# KiCad board glasgow_revD0.kicad_pcb (continued)
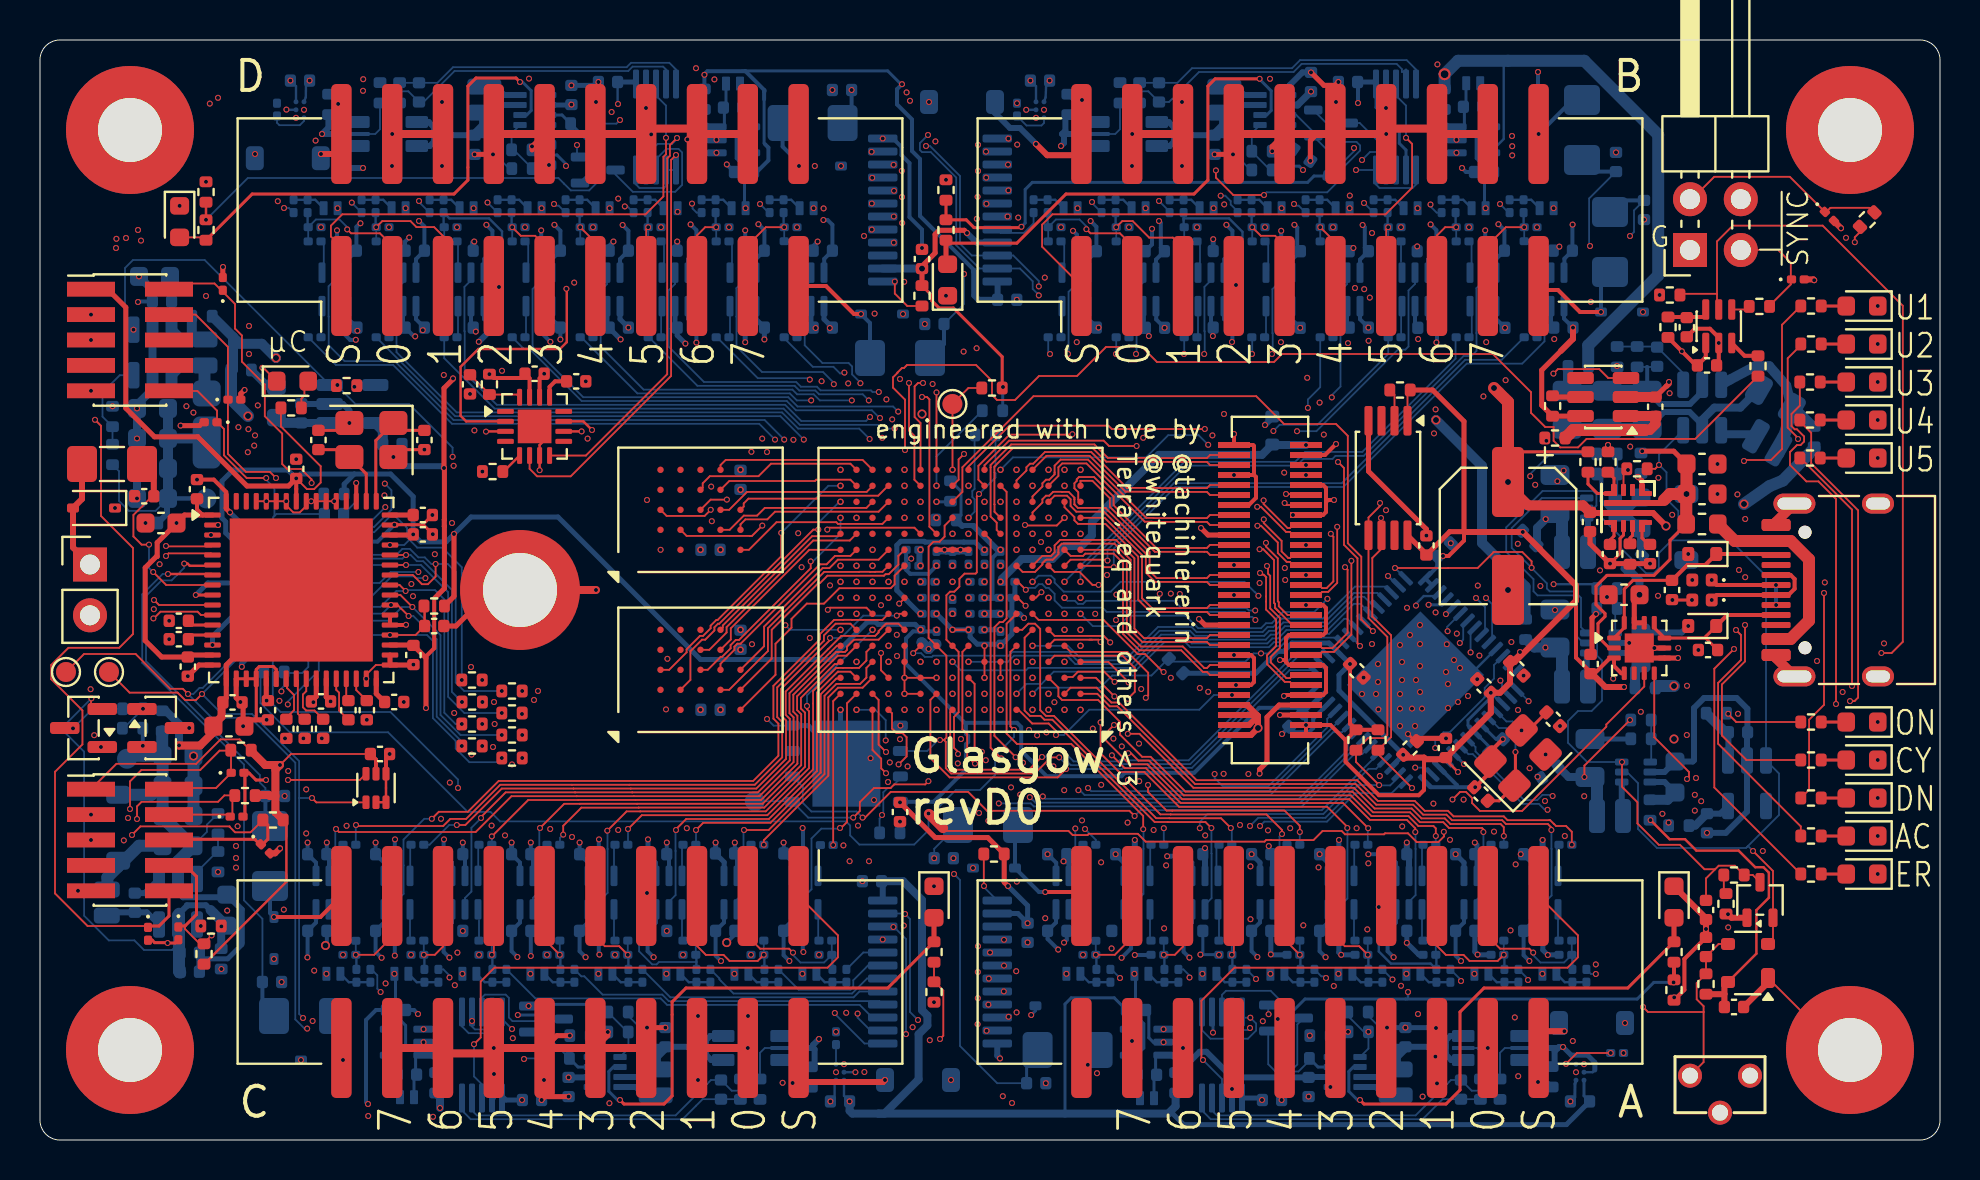
[diagram p0: board, top side]
## Routing (per net, layer and track width the routed paths; a pad name or vN(x,y) marks a point on that pad's centre or on a via; arc(x,y) is an arc through that point) (continued)
  In3.Cu w0.09: v1(54.39,22.06) v1(54.39,20.31)
  Bottom w0.09: v1(73.19,15.2) R95.2
/IO Banks/A.Q2: length 24.4
  Top w0.09: v1(69.79,15.2) 69.79,15.58 69.67,15.7 68.92,15.7 68.42,16.19 66.57,16.19 65.54,17.23 57.19,17.23 55.45,18.97 54.92,18.97 54.55,19.34 v1(54.41,19.34) ; v1(53.73,22.91) 53.72,22.91 53.22,23.42 51.9,23.42 51.63,23.15 51.26,23.15
  In3.Cu w0.09: v1(54.41,19.34) 54.41,19.86 54.03,20.24 54.03,22.64 53.76,22.91 v1(53.73,22.91)
  Bottom w0.09: v1(69.79,15.2) R96.2
/IO Banks/A.Q3: length 24.5
  Top w0.09: v1(53.51,24.88) 53.19,25.2 50.73,25.2 U8.F3 ; v1(66.41,15.59) 65.15,16.85 57.03,16.85 55.29,18.59 54.24,18.59 v1(53.59,19.23)
  In3.Cu w0.09: v1(53.51,24.88) 53.34,24.7 53.34,20.75 53.17,20.59 53.17,19.66 v1(53.59,19.23)
  Bottom w0.09: v1(66.41,15.59) 66.39,15.57 R97.2
/IO Banks/A.Q4: length 20
  Top w0.09: U8.E2 51.53,24.41 54.37,24.41 55.41,23.36 55.41,22.23 v1(55.29,22.11) ; v1(62.99,15.4) 62.99,15.71 62.23,16.47 56.62,16.47 56.62,16.47 56.33,16.47 55.4,17.4 v1(55.4,17.75)
  In3.Cu w0.09: v1(55.29,22.11) 55.29,18.44 55.4,18.33 v1(55.4,17.75)
  Bottom w0.09: R98.2 v1(62.99,15.4)
/IO Banks/A.Q5: length 18.3
  Top w0.09: v1(59.54,15.6) 59.05,16.09 56.46,16.09 56.46,16.09 55.81,16.09 50.69,21.2 50.3,21.2 50.01,21.49 50.01,25.56 49.75,25.81 49.42,25.81 49.11,25.51 48.82,25.51
  Bottom w0.09: R99.2 59.59,15.55 v1(59.54,15.6)
/IO Banks/A.Q6: length 16.4
  Top w0.09: v1(56.18,23.4) 56.15,23.4 55.25,24.3 54.89,24.3 53.18,26 49.93,26 U8.G4
  In3.Cu w0.09: v1(56.18,23.4) 56.19,23.39 v1(56.19,15.59)
  Bottom w0.09: R100.2 v1(56.19,15.59)
/IO Banks/A.Q7: length 10.9
  In3.Cu w0.09: v1(52.25,15.55) 52.7,16 52.7,17.47 52.71,17.47 52.71,19.78 51.98,20.5 51.98,21.03 52.33,21.38 52.33,24.41 v1(52.03,24.71)
  Bottom w0.09: v1(52.25,15.55) 52.79,15.01 R101.2
/IO Banks/B.DIR0: length 18.8
  In3.Cu w0.09: v1(51.4,39.3) 51.2,39.3 50.92,39.02 50.92,26.96 51.26,26.61 51.35,26.61 51.57,26.4 51.57,25.97 v1(52.03,25.51)
  Bottom w0.09: v1(51.4,39.3) 51.43,39.33 51.43,42.41 51.75,42.73 U38.5
/IO Banks/B.DIR1: length 21.7
  In2.Cu w0.09: v1(50.43,26.31) 50.79,26.31 51.1,26 v1(53.8,26)
  In3.Cu w0.09: v1(53.8,26) 54.46,26.66 54.46,38.96 v1(54.8,39.3)
  Bottom w0.09: 55.15,43.67 55.15,42.88 54.83,42.56 54.83,39.33 v1(54.8,39.3)
/IO Banks/B.DIR2: length 25.7
  Top w0.09: 48.88,27.11 v1(49.28,26.71)
  In2.Cu w0.09: v1(56.99,27.3) 56.31,26.61 49.38,26.61 v1(49.28,26.71)
  In3.Cu w0.09: v1(58.21,39.3) 57.8,38.89 57.8,30.78 57.75,30.73 57.75,30.47 57.8,30.42 57.8,28.11 v1(56.99,27.3)
  Bottom w0.09: 58.55,43.67 58.55,42.98 58.22,42.66 58.22,40.45 58.24,40.44 58.24,39.33 v1(58.21,39.3)
/IO Banks/B.DIR3: length 29.6
  In3.Cu w0.09: v1(60.92,27.21) 60.79,27.34 60.79,27.54 60.53,27.8 60.53,38.23 v1(61.6,39.3)
  Bottom w0.09: v1(49.62,27.91) 49.93,28.22 50.55,28.22 50.73,28.04 50.73,27.87 51.18,27.42 53.54,27.42 54.03,27.91 60.22,27.91 60.74,27.39 60.75,27.39 60.92,27.22 v1(60.92,27.21) ; v1(61.6,39.3) 61.63,39.33 61.63,40.33 61.62,40.35 61.62,42.54 61.95,42.87 61.95,43.67
/IO Banks/B.DIR4: length 31.2
  In3.Cu w0.09: v1(64.37,27.06) 63.73,27.7 63.73,35.95 64.59,36.81 v1(64.59,37.13)
  Bottom w0.09: 65.35,43.67 65.35,42.79 65.02,42.46 65.02,40.35 65.03,40.34 65.03,37.67 64.59,37.24 v1(64.59,37.13) ; v1(64.37,27.06) 63.71,26.4 62.15,26.4 61.59,25.84 61.3,25.84 61.05,25.59 57.91,25.59 57.28,26.22 54.45,26.22 53.93,25.69 52.64,25.69 v1(52.03,26.31)
/IO Banks/B.DIR5: length 31.9
  In2.Cu w0.09: v1(50.43,27.91) 50.73,27.61 52.23,27.61 52.51,27.33 53.45,27.33 53.82,27.7 60.1,27.7 60.27,27.53 61.16,27.53 62.23,28.6 v1(62.24,28.6)
  In3.Cu w0.09: v1(62.85,35.44) 62.33,35.44 61.86,34.97 61.86,28.98 v1(62.24,28.6)
  Bottom w0.09: v1(62.85,35.44) 63.82,35.44 67.9,39.52 68.27,39.52 68.43,39.67 68.43,42.47 68.75,42.8 68.75,43.67
/IO Banks/B.DIR6: length 29.2
  Bottom w0.09: v1(52.03,27.91) 52.03,28.44 57.3,33.72 62.84,33.72 63.17,34.06 64.62,34.06 64.77,34.2 66.18,34.2 71.18,39.2 71.57,39.2 71.82,39.45 71.82,40.34 71.82,40.35 71.82,42.59 72.15,42.92 72.15,43.67
/IO Banks/B.DIR7: length 32.3
  Top w0.09: v1(53.69,28.64) 53.21,28.64 53.14,28.71 U8.K1
  Bottom w0.09: 75.55,43.67 75.55,42.97 75.22,42.64 75.22,40.35 75.22,40.34 75.22,39.93 74.11,38.82 71.34,38.82 65.17,32.65 56.77,32.65 53.69,29.57 v1(53.69,28.64)
/IO Banks/B.P0: length 2.6
  Bottom w0.09: U25.20 48.03,45.36 49.2,45.36 49.68,45.84 R160.2
/IO Banks/B.P1: length 5.3
  In2.Cu w0.09: v1(52.6,46.9) 52.59,46.91 49.13,46.91 48.41,46.17 v1(48.38,46.17)
  Bottom w0.09: v1(52.6,46.9) 52.6,46.85 R161.2
/IO Banks/B.P2: length 9.7
  In2.Cu w0.09: v1(47.32,46.81) 48.77,46.81 49.17,47.2 55.69,47.2 v1(55.95,46.95)
  Bottom w0.09: R162.2 56.48,46.42 v1(55.95,46.95)
/IO Banks/B.P3: length 12.1
  In2.Cu w0.09: v1(59.03,47.22) 58.85,47.39 49.26,47.39 49.18,47.47 48.43,47.47 v1(48.42,47.48)
  Bottom w0.09: v1(59.03,47.22) 59.26,47.22 59.53,46.94 59.53,46.78 59.88,46.43 R163.2
/IO Banks/B.P4: length 16.7
  In2.Cu w0.09: v1(47.31,48.12) 48.8,48.12 49.34,47.58 61.91,47.58 v1(62.7,46.8)
  Bottom w0.09: v1(62.7,46.8) 62.78,46.72 62.94,46.72 R164.2
/IO Banks/B.P5: length 19.5
  In2.Cu w0.09: v1(48.4,48.77) 48.45,48.77 49.44,47.78 65.69,47.78 66.2,47.26 v1(66.2,46.85)
  Bottom w0.09: v1(66.2,46.85) R165.2
/IO Banks/B.P6: length 24.1
  In2.Cu w0.09: v1(47.3,49.42) 48.25,49.42 49.7,47.97 68.34,47.97 v1(69.52,46.78)
  Bottom w0.09: R166.2 69.83,46.37 69.52,46.68 v1(69.52,46.78)
/IO Banks/B.P7: length 26.9
  In2.Cu w0.09: v1(73,46.8) 71.65,48.16 49.78,48.16 48.42,49.52 v1(48.42,50.07)
  Bottom w0.09: v1(73,46.8) 73.43,46.37
/IO Banks/B.Q0: length 14.2
  In3.Cu w0.09: v1(51.22,26.31) 50.73,26.81 50.73,39.07 v1(50.5,39.3)
  Bottom w0.09: R136.2 50.41,39.39 v1(50.5,39.3)
/IO Banks/B.Q1: length 16.7
  In2.Cu w0.09: v1(53.82,27.27) 53.69,27.14 52.43,27.14 52.15,27.42 50.73,27.42 v1(50.43,27.11)
  In3.Cu w0.09: v1(53.8,39.3) 54,39.1 54,27.45 v1(53.82,27.27)
  Bottom w0.09: R137.2 53.81,39.31 v1(53.8,39.3)
/IO Banks/B.Q2: length 20.5
  Top w0.09: 49.62,27.12 49.8,27.12 v1(50.07,27.39)
  In2.Cu w0.09: v1(50.07,27.39) 50.07,27.03 50.3,26.81 55.49,26.81 v1(55.99,27.31)
  In3.Cu w0.09: v1(57.2,39.3) 57.2,28.52 v1(55.99,27.31)
  Bottom w0.09: v1(57.2,39.3) 57.21,39.31 R138.2
/IO Banks/B.Q3: length 27.5
  Top w0.09: 48.89,27.91 v1(49.29,27.51)
  In3.Cu w0.09: v1(60.77,26) 60.61,26.16 60.59,26.16 60.34,26.42 60.34,39.04 v1(60.6,39.3)
  Bottom w0.09: v1(60.6,39.3) 60.61,39.31 60.61,40.12 R139.2 ; v1(49.29,27.51) 49.38,27.61 49.75,27.61 49.94,27.79 50.11,27.79 50.3,27.61 50.44,27.61 50.73,27.31 50.73,26.98 51.09,26.61 53.12,26.61 53.12,26.62 53.34,26.41 60.25,26.41 60.49,26.16 60.61,26.16 v1(60.77,26)
/IO Banks/B.Q4: length 25.3
  In3.Cu w0.09: v1(63.4,36.61) 63.18,36.39 63.18,35.34 62.98,35.14 62.98,28.12 61.46,26.61 60.94,26.61 60.81,26.48 v1(60.76,26.48)
  Bottom w0.09: v1(51.22,27.11) 51.38,26.96 51.74,26.96 51.9,26.81 52.15,26.81 52.31,26.96 56.71,26.96 57.07,26.59 60.32,26.59 60.44,26.48 v1(60.76,26.48) ; R140.2 64.01,37.64 63.4,37.03 v1(63.4,36.61)
/IO Banks/B.Q5: length 27.4
  Top w0.09: U8.K3 50.73,28.41 51.97,28.41 52.62,27.75 v1(52.93,27.75)
  In2.Cu w0.09: v1(52.93,27.75) 52.94,27.76 53.42,27.76 53.95,28.29 60.48,28.29 60.92,27.85 v1(60.98,27.85)
  In3.Cu w0.09: v1(61.67,35.45) 61.67,28.48 61.04,27.85 v1(60.98,27.85)
  Bottom w0.09: v1(61.67,35.45) 61.98,35.76 63.87,35.76 67.41,39.3 R141.2
/IO Banks/B.Q6: length 25.2
  Bottom w0.09: v1(51.22,27.91) 57.22,33.91 62.76,33.91 63.25,34.41 66.12,34.41 70.78,39.07 70.78,40.14
/IO Banks/B.Q7: length 28.1
  Top w0.09: U8.K2 51.53,29.02 53.33,29.02 v1(53.38,28.97)
  Bottom w0.09: v1(53.38,28.97) 53.38,29.52 56.69,32.84 65.09,32.84 71.26,39.01 73.08,39.01 R143.2
/IO Banks/Bank A/PG: length 25
  Top w0.15: R84.2 79.39,7.6 72.2,7.6 71,6.4 71,2.5 70.3,1.8 66.2,1.8 v1(66,2)
  Top w0.25: D40.2 R84.2
  Bottom w0.15: U28.2 65.66,3.65 65.44,3.42 65.44,2.43 65.87,2 v1(66,2)
/IO Banks/Bank A/V_{CLAMP}: length 31.5
  In2.Cu w0.2: v1(51.32,8.31) 51.51,8.5 54.53,8.5 v1(54.72,8.31) 54.91,8.5 57.93,8.5 v1(58.12,8.31) 58.31,8.5 61.33,8.5 v1(61.52,8.31) 61.71,8.5 64.73,8.5 v1(64.92,8.31) 65.11,8.5 68.13,8.5 v1(68.32,8.31) 68.51,8.5 71.53,8.5 v1(71.72,8.31) 71.91,8.5 74.93,8.5 v1(75.12,8.31)
  Bottom w0.15: U37.4 54.5,3.7 54.87,3.33 C148.1 ; 54.83,4.24 55.19,4.6 55.19,5.82 54.8,6.2 54.8,6.6 54.78,6.63 54.78,8.25 ; D42.1 55,3.2
/IO Banks/Bank A/V_{IO_OUT}: length 4
  Top w0.3: 75.2,5.6 75.36,5.44 v1(76.22,5.44)
  In3.Cu w0.3: v1(74.9,2.9) 75.39,3.39 v1(76.8,3.39)
  Bottom w0.2: R92.2 75.38,2.88 74.92,2.88 v1(74.9,2.9)
/IO Banks/Bank A/V_{IO}: length 65.1
  In2.Cu w0.2: v1(50.91,9.52) 51.53,8.9 53.87,8.9 v1(54.08,9.11) 54.34,8.85 57.2,8.85 v1(57.47,9.12) 57.69,8.9 60.62,8.9 v1(60.87,9.15) 61.18,8.84 63.98,8.84 v1(64.28,9.14) 64.52,8.9 67.44,8.9 v1(67.68,9.14) 67.92,8.9 71,8.9 v1(71.05,8.95) 71.1,8.9 74.42,8.9 v1(74.47,8.95)
  In3.Cu w0.2: v1(57.47,9.12) 56.3,7.95 56.3,5.66 v1(56.18,5.54)
  In3.Cu w0.25: v1(76.15,4.65) 74.01,6.78 74.01,8.5 v1(74.47,8.95)
  In3.Cu w0.3: v1(76.15,4.65) 76.34,4.65 v1(77.2,3.79)
  Bottom w0.12: 77.74,3.5 77.63,3.39 U33.B1
  Bottom w0.2: U29.6 71.2,10.88 C132.1 70.78,9.22 v1(71.05,8.95) ; v1(57.47,9.12) 57.18,9.41 C133.1 57.6,10.88 U30.6 ; U26.6 74.6,10.88 C127.1 74.18,9.24 v1(74.47,8.95) ; v1(50.91,9.52) 50.38,10.05 C146.1 50.8,10.88 U36.6 ; U32.6 54.2,10.81 C139.1 54.55,9.58 v1(54.08,9.11) ; U35.6 64.4,10.88 C145.1 63.98,9.44 v1(64.28,9.14) ; U31.6 67.8,10.88 C138.1 67.38,9.44 v1(67.68,9.14) ; U27.6 61,10.88 C128.1 60.58,10.45 60.58,9.44 v1(60.87,9.15)
  Bottom w0.25: v1(76.15,4.65) 76.56,4.24 77.38,4.24 77.74,3.88 77.74,3.5
  Bottom w0.3: 75.9,4.6 75.73,4.43 75.73,3.79 R92.1 ; 75.9,4.6 75.13,4.6 75.02,4.49 ; 75.9,4.6 75.95,4.65 v1(76.15,4.65) ; 75.02,4.49 74.53,4 R90.4 ; 75.02,4.49 75.02,4.72 74.54,5.2 R90.4
/IO Banks/Bank A/V_{SENSE}: length 28.4
  Top w0.09: J7.1 76.9,10.24 76.9,9.13 76.38,8.61 59.72,8.61 58.07,6.96 58.07,4.08 v1(58.15,4)
  Bottom w0.09: v1(58.15,4) 59.1,3.05 59.1,2.78 59.2,2.68
/IO Banks/Bank A/VIO_EN: length 5.4
  Bottom w0.09: D41.1 61.41,3.79 61.78,3.42 62.93,3.42 63.47,3.97 R85.2
  Bottom w0.15: R85.2 63.9,3.65 U28.7
/IO Banks/Bank A/X0: length 1.6
  Bottom w0.09: R94.1 75.83,14.64 75.83,13.28 U26.3
/IO Banks/Bank A/X1: length 1.6
  Bottom w0.09: U29.3 72.43,13.28 72.43,14.64 R95.1
/IO Banks/Bank A/X2: length 1.6
  Bottom w0.09: R96.1 69.1,14.71 U31.3
/IO Banks/Bank A/X3: length 1.6
  Bottom w0.09: R97.1 65.71,14.72 65.71,13.22 U35.3
/IO Banks/Bank A/X4: length 1.7
  Bottom w0.09: R98.1 62.2,14.61 62.2,13.31 U27.3
/IO Banks/Bank A/X5: length 1.6
  Bottom w0.09: R99.1 58.82,14.63 58.82,13.29 U30.3
/IO Banks/Bank A/X6: length 1.6
  Bottom w0.09: R100.1 55.51,14.72 55.51,13.22 U32.3
/IO Banks/Bank A/X7: length 1.6
  Bottom w0.09: R101.1 52.04,14.65 52.04,13.27 U36.3
/IO Banks/Bank A/Y0: length 1.6
  Bottom w0.09: U26.4 75.9,10.02 R102.1
/IO Banks/Bank A/Y1: length 1.6
  Bottom w0.09: R103.1 72.5,10.02 U29.4
/IO Banks/Bank A/Y2: length 1.6
  Bottom w0.09: R104.1 69.1,10.02 U31.4
/IO Banks/Bank A/Y3: length 1.6
  Bottom w0.09: U35.4 65.7,10.02 R105.1
/IO Banks/Bank A/Y4: length 1.6
  Bottom w0.09: R106.1 62.3,10.02 U27.4
/IO Banks/Bank A/Y5: length 1.6
  Bottom w0.09: U30.4 58.9,11.39 58.95,11.34 R107.1
/IO Banks/Bank A/Y6: length 1.6
  Bottom w0.09: R108.1 55.5,10.02 U32.4
/IO Banks/Bank A/Y7: length 1.5
  Bottom w0.09: U36.4 52.1,10.13 52.15,10.08
/IO Banks/Bank A/Z0: length 6.4
  Top w0.09: v1(74.66,9.37) 74.47,9.56 73,9.56 72.39,10.18
  Bottom w0.09: v1(74.66,9.37) 74.66,9.24 75.02,8.88 76.21,8.88 D58.1 R102.2
  Bottom w0.12: R110.1 76.62,9.23
/IO Banks/Bank A/Z1: length 7.7
  Top w0.09: J7.5 69.85,9.7 70.3,9.25 71.18,9.25 71.48,8.95 72.88,8.95 v1(73.19,9.26)
  Bottom w0.09: R103.2 v1(73.19,9.26)
  Bottom w0.12: R111.1 73.22,9.23
/IO Banks/Bank A/Z2: length 6.9
  Bottom w0.09: R104.2 D57.1
  Bottom w0.12: v1(66.94,11.65) 66.94,9.43 67.55,8.82 69.53,8.82 R112.1 69.82,9.23
/IO Banks/Bank A/Z3: length 3.4
  Top w0.09: v1(66.39,9.26) 65.96,9.69 65.24,9.69 64.77,10.16
  Bottom w0.09: R105.2 v1(66.39,9.26)
  Bottom w0.12: R113.1 66.42,9.23
/IO Banks/Bank A/Z4: length 2.5
  Top w0.09: 62.23,10.02 v1(62.99,9.26)
  Bottom w0.09: v1(62.99,9.26) R106.2
  Bottom w0.12: R114.1 63.02,9.23
/IO Banks/Bank A/Z5: length 4.4
  Top w0.09: J7.13 59.69,9.36 v1(59.59,9.26)
  Bottom w0.09: R107.2 v1(59.59,9.26)
  Bottom w0.12: R115.1 59.62,9.23
/IO Banks/Bank A/Z6: length 5.1
  Top w0.09: J7.15 57.15,9.67 56.74,9.26 v1(56.19,9.26)
  Bottom w0.09: R108.2 v1(56.19,9.26)
  Bottom w0.12: R116.1 56.22,9.23
/IO Banks/Bank A/Z7: length 3.6
  Top w0.09: v1(52.79,9.26) 53.74,9.26 54.61,10.13 54.61,10.16
  Bottom w0.09: R109.2 v1(52.79,9.26)
  Bottom w0.12: R117.1 52.82,9.23
/IO Banks/Bank B/PG: length 25.4
  Top w0.15: 45.45,44.84 48.84,44.84 51.3,47.3 57.7,47.3 58.4,48 58.4,52.7 58.76,53.06 v1(60.98,53.06)
  Top w0.25: R126.2 45.3,43.87 D60.2
  Bottom w0.15: v1(60.98,53.06) 60.98,53.04 61.56,52.46 61.56,51.47 61.34,51.25 U40.2
/IO Banks/Bank B/V_{CLAMP}: length 31.6
  In2.Cu w0.2: v1(75.68,46.59) 75.49,46.4 72.47,46.4 v1(72.28,46.59) 72.09,46.4 69.07,46.4 v1(68.88,46.59) 68.69,46.4 65.67,46.4 v1(65.48,46.59) 65.29,46.4 62.27,46.4 v1(62.08,46.59) 61.89,46.4 58.87,46.4 v1(58.68,46.59) 58.49,46.4 55.47,46.4 v1(55.28,46.59) 55.09,46.4 52.07,46.4 v1(51.88,46.59)
  Bottom w0.15: 72.22,46.64 72.22,48.67 71.81,49.08 71.81,50.3 72.17,50.66 ; U49.4 72.5,51.29 C173.1 72.09,51.7 72.09,52.76 D62.1
/IO Banks/Bank B/V_{IO_OUT}: length 8.4
  Top w0.3: 51.8,49.3 51.74,49.24 50.36,49.24 v1(49.8,49.8)
  In2.Cu w0.3: v1(52.1,52) 51.61,51.51 v1(50.2,51.51)
  Bottom w0.2: R134.2 51.66,52.02 52.08,52.02 v1(52.1,52)
  Bottom w0.3: v1(49.8,49.8) 49,50.6 48.5,50.6 47.75,51.35 D79.1
/IO Banks/Bank B/V_{IO}: length 64.2
  In2.Cu w0.2: v1(76.63,45.77) 76.4,46 73.13,46 v1(72.92,45.79) 72.66,46.05 69.8,46.05 v1(69.53,45.78) 69.31,46 66.38,46 v1(66.13,45.75) 65.82,46.06 63.02,46.06 v1(62.72,45.76) 62.48,46 59.56,46 v1(59.32,45.76) 59.08,46 56,46 v1(55.95,45.95) 55.9,46 52.58,46 v1(52.53,45.95)
  In3.Cu w0.2: v1(70.82,49.36) 70.7,49.24 70.7,46.95 v1(69.53,45.78)
  In3.Cu w0.3: v1(49.31,51.51) 49.42,51.51 49.8,51.13 v1(49.8,51.11) 49.8,51.1 51.05,49.85 v1(51.05,49.7) 51.05,46.84 51.74,46.15 52.33,46.15 v1(52.53,45.95)
  Bottom w0.12: U45.B1 v1(49.31,51.51)
  Bottom w0.2: v1(55.95,45.95) 56.04,45.86 56.04,44.62 C157.1 55.8,44.02 U41.6 ; U43.6 59.21,43.38 59.21,44.04 C163.1 59.62,45.46 v1(59.32,45.76) ; U47.6 62.6,44.02 C170.1 62.86,44.6 62.86,45.62 v1(62.72,45.76) ; U38.6 52.41,43.38 52.41,44.03 C152.1 52.82,45.66 v1(52.53,45.95) ; U39.6 66,44.02 C153.1 66.24,44.62 66.24,45.64 v1(66.13,45.75) ; v1(76.63,45.77) 76.62,45.76 C171.1 76.22,44.07 76.22,43.39 U48.6 ; U42.6 69.41,43.38 69.41,44.03 C158.1 69.82,45.49 v1(69.53,45.78) ; v1(72.92,45.79) 73.22,45.49 C164.1 72.81,44.06 72.81,43.38 U44.6
  Bottom w0.3: R132.4 52.46,49.7 51.98,50.18 51.98,50.41 ; 51.98,50.41 51.87,50.3 51.2,50.3 ; 51.98,50.41 52.47,50.9 R132.4 ; 51.2,50.3 51.2,49.85 v1(51.05,49.7) ; 51.2,50.3 51.1,50.3 51.27,50.47 51.27,51.15 R134.1
/IO Banks/Bank B/V_{SENSE}: length 28.1
  Top w0.09: J8.1 50.1,44.66 50.1,45.77 50.62,46.28 67.28,46.28 68.6,47.61 68.6,49.81 v1(68.3,50.11)
  Bottom w0.09: v1(68.3,50.11) 68.3,51.72 67.8,52.22
/IO Banks/Bank B/VIO_EN: length 3.1
  Bottom w0.09: U40.7 62.81,51.25 63.66,50.4 D61.1 64.64,49.22 R127.2
/IO Banks/Bank B/X0: length 1.6
  Bottom w0.09: R136.1 51.1,40.19 U38.3
/IO Banks/Bank B/X1: length 1.6
  Bottom w0.09: U41.3 54.5,40.19 R137.1
/IO Banks/Bank B/X2: length 1.6
  Bottom w0.09: U43.3 57.9,40.19 R138.1
/IO Banks/Bank B/X3: length 1.6
  Bottom w0.09: U47.3 61.3,40.19 61.25,40.14 R139.1
/IO Banks/Bank B/X4: length 1.6
  Bottom w0.09: U39.3 64.7,40.19 R140.1
/IO Banks/Bank B/X5: length 1.6
  Bottom w0.09: R141.1 68.06,40.14 68.06,41.69
/IO Banks/Bank B/X6: length 1.7
  Bottom w0.09: U44.3 71.59,41.6 71.59,40.28 R142.1
/IO Banks/Bank B/X7: length 1.6
  Bottom w0.09: U48.3 74.95,41.64 74.95,40.24 R143.1
/IO Banks/Bank B/Y0: length 1.7
  Bottom w0.09: R144.1 51.21,44.77 51.21,43.48 U38.4
/IO Banks/Bank B/Y1: length 1.7
  Bottom w0.09: R145.1 54.59,44.79 54.59,43.46 U41.4
/IO Banks/Bank B/Y2: length 1.7
  Bottom w0.09: U43.4 58,43.47 58,44.78 R146.1
/IO Banks/Bank B/Y3: length 1.7
  Bottom w0.09: U47.4 61.41,43.48 61.41,44.77 R147.1
/IO Banks/Bank B/Y4: length 1.7
  Bottom w0.09: R148.1 64.85,44.73 64.85,43.52 U39.4
/IO Banks/Bank B/Y5: length 1
  Bottom w0.09: R149.1 68.05,43.92
/IO Banks/Bank B/Y6: length 1.6
  Bottom w0.09: U44.4 71.58,43.45 71.58,44.8 R150.1
/IO Banks/Bank B/Y7: length 1.5
  Bottom w0.09: U48.4 74.9,44.77 74.85,44.82
/IO Banks/Bank B/Z0: length 6.4
  Top w0.09: 54.61,44.72 54,45.33 52.53,45.33 v1(52.32,45.54)
  Bottom w0.09: v1(52.32,45.54) 52.32,45.68 51.98,46.03 50.79,46.03 D78.1 R144.2
  Bottom w0.12: R152.1 50.38,45.67
/IO Banks/Bank B/Z1: length 7.3
  Top w0.09: J8.5 57.15,44.61 56.64,45.12 55.46,45.12 54.63,45.94 54.12,45.94 v1(53.81,45.64)
  Bottom w0.09: R145.2 v1(53.81,45.64)
  Bottom w0.12: R153.1 53.78,45.67
/IO Banks/Bank B/Z2: length 7.4
  Bottom w0.09: R146.2 D77.1
  Bottom w0.12: 57.18,46.07 57.19,46.08 59.45,46.08 60.12,45.41 60.12,43.08 v1(59.8,42.75) ; 57.18,46.07 57.18,45.67 ; 57.18,46.07 R154.1
/IO Banks/Bank B/Z3: length 3.4
  Top w0.09: v1(60.61,45.64) 61.04,45.21 61.76,45.21 62.23,44.74
  Bottom w0.09: R147.2 v1(60.61,45.64)
  Bottom w0.12: R155.1 60.58,45.67
/IO Banks/Bank B/Z4: length 2.5
  Top w0.09: 64.77,44.88 v1(64.01,45.64)
  Bottom w0.09: v1(64.01,45.64) R148.2
  Bottom w0.12: R156.1 63.98,45.67
/IO Banks/Bank B/Z5: length 4.4
  Top w0.09: v1(67.41,45.64) 67.31,45.54 J8.13
  Bottom w0.09: R149.2 v1(67.41,45.64)
  Bottom w0.12: R157.1 67.38,45.67
/IO Banks/Bank B/Z6: length 5.1
  Top w0.09: J8.15 69.85,45.23 70.26,45.64 v1(70.81,45.64)
  Bottom w0.09: R150.2 v1(70.81,45.64)
  Bottom w0.12: R158.1 70.78,45.67
/IO Banks/Bank B/Z7: length 3.6
  Top w0.09: v1(74.21,45.64) 73.29,45.64 72.39,44.74
  Bottom w0.09: R151.2 v1(74.21,45.64)
  Bottom w0.12: R159.1 74.18,45.67
/IO Banks/Bank C/PG: length 25.5
  Top w0.15: R168.2 42.39,7.6 32.3,7.6 31.6,6.91 31.6,2.2 31.2,1.8 29.2,1.8 v1(29,2)
  Top w0.25: D80.2 R168.2
  Bottom w0.15: U52.2 28.66,3.65 28.44,3.42 28.44,2.43 28.87,2 v1(29,2)
/IO Banks/Bank C/V_{CLAMP}: length 31.6
  In2.Cu w0.2: v1(38.12,8.31) 37.93,8.5 34.91,8.5 v1(34.72,8.31) 34.53,8.5 31.51,8.5 v1(31.32,8.31) 31.13,8.5 28.11,8.5 v1(27.92,8.31) 27.73,8.5 24.71,8.5 v1(24.52,8.31) 24.33,8.5 21.31,8.5 v1(21.12,8.31) 20.93,8.5 17.91,8.5 v1(17.72,8.31) 17.53,8.5 14.51,8.5 v1(14.32,8.31)
  Bottom w0.15: C198.1 17.87,4.12 17.75,4.24 U61.4 ; 17.78,8.25 17.78,6.23 18.28,5.72 18.28,4.69 17.83,4.24 ; D82.1 18,3.2
/IO Banks/Bank C/V_{IO_OUT}: length 8.1
  Top w0.3: v1(42.25,3) 42.15,2.9 37.68,2.9 v1(37.63,2.85)
  In2.Cu w0.3: v1(39.8,3.39) 38.39,3.39 37.85,2.85 v1(37.63,2.85)
  Bottom w0.2: R176.2 38.33,2.88 37.92,2.88 37.89,2.85 v1(37.63,2.85)
/IO Banks/Bank C/V_{IO}: length 63.9
  In2.Cu w0.2: v1(37.47,8.95) 37.42,8.9 34.1,8.9 v1(34.05,8.95) 34,8.9 30.92,8.9 v1(30.68,9.14) 30.44,8.9 27.52,8.9 v1(27.28,9.14) 26.98,8.84 24.18,8.84 v1(23.87,9.15) 23.62,8.9 20.69,8.9 v1(20.47,9.12) 20.2,8.85 17.34,8.85 v1(17.08,9.11) 16.87,8.9 13.6,8.9 v1(13.37,9.13)
  In3.Cu w0.2: v1(20.47,9.12) 19.3,7.95 19.3,5.66 v1(19.18,5.54)
  In3.Cu w0.3: v1(40.77,3.39) 40.6,3.39 40.02,3.97 ; 40.02,3.97 38.95,5.04 v1(38.95,5.05) 37.47,6.53 v1(37.47,8.95) ; 40.02,3.97 v1(40.2,3.79)
  Bottom w0.12: v1(40.77,3.39) U57.B1
  Bottom w0.2: U50.6 37.6,10.96 37.18,10.54 C177.1 37.18,9.24 v1(37.47,8.95) ; v1(30.68,9.14) 30.38,9.44 C188.1 30.8,10.88 U55.6 ; v1(23.87,9.15) 23.58,9.44 C178.1 24,10.88 U51.6 ; v1(27.28,9.14) 26.98,9.44 26.98,10.45 C195.1 27.4,10.88 U59.6 ; v1(34.05,8.95) 33.78,9.22 C182.1 34.2,10.88 U53.6 ; v1(13.37,9.13) 13.38,9.14 13.38,10.45 C196.1 13.8,10.87 U60.6 ; v1(17.08,9.11) 16.78,9.41 C189.1 17.2,10.88 U56.6 ; U54.6 20.6,10.88 C183.1 20.18,9.41 v1(20.47,9.12)
  Bottom w0.3: 38.02,4.49 37.53,4 R174.4 ; 38.02,4.49 38.02,4.72 37.54,5.2 R174.4 ; 38.02,4.49 38.13,4.6 38.66,4.6 ; 38.66,4.6 38.66,4.76 v1(38.95,5.05) ; 38.66,4.6 38.73,4.53 38.73,3.82 R176.1
/IO Banks/Bank C/V_{SENSE}: length 27.8
  Top w0.09: v1(21.7,4.79) 22.03,5.12 22.03,7.92 22.72,8.61 39.38,8.61 39.9,9.13 39.9,10.24 J9.1
  Bottom w0.09: 22.2,2.68 21.7,3.18 v1(21.7,4.79)
/IO Banks/Bank C/VIO_EN: length 3.8
  Bottom w0.09: R169.2 25.15,5.4 D81.1
  Bottom w0.15: U52.7 26.9,3.65 R169.2
/IO Banks/Bank C/X0: length 1.6
  Bottom w0.09: U50.3 38.91,13.22 38.91,14.72 38.94,14.75 R178.1
/IO Banks/Bank C/X1: length 1.6
  Bottom w0.09: U53.3 35.5,14.71 R179.1
/IO Banks/Bank C/X2: length 1.6
  Bottom w0.09: R180.1 32.1,14.71 U55.3
/IO Banks/Bank C/X3: length 1.6
  Bottom w0.09: R181.1 28.7,14.71 U59.3
/IO Banks/Bank C/X4: length 1.6
  Bottom w0.09: R182.1 25.3,14.71 U51.3
/IO Banks/Bank C/X5: length 1.6
  Bottom w0.09: R183.1 21.91,14.72 21.91,13.22 U54.3
/IO Banks/Bank C/X6: length 1.6
  Bottom w0.09: U56.3 18.51,13.22 18.51,14.72 R184.1
/IO Banks/Bank C/X7: length 1.8
  Bottom w0.09: R185.1 15.4,14.51 15.4,13.51 U60.3
/IO Banks/Bank C/Y0: length 1.6
  Bottom w0.09: U50.4 38.91,11.52 38.91,10.01 R186.1
/IO Banks/Bank C/Y1: length 1.6
  Bottom w0.09: U53.4 35.5,10.02 R187.1
/IO Banks/Bank C/Y2: length 1.6
  Bottom w0.09: R188.1 32.1,10.02 U55.4
/IO Banks/Bank C/Y3: length 1.6
  Bottom w0.09: R189.1 28.7,10.02 U59.4
/IO Banks/Bank C/Y4: length 1.6
  Bottom w0.09: R190.1 25.3,10.02 U51.4
/IO Banks/Bank C/Y5: length 1
  Bottom w0.09: R191.1 21.95,10.98
/IO Banks/Bank C/Y6: length 1.6
  Bottom w0.09: R192.1 18.5,10.02 U56.4
/IO Banks/Bank C/Y7: length 1.5
  Bottom w0.09: U60.4 15.11,11.52 15.11,10.12 15.15,10.08
/IO Banks/Bank C/Z0: length 6.4
  Top w0.09: v1(37.65,9.37) 37.46,9.56 36,9.56 35.39,10.18
  Bottom w0.09: R186.2 D98.1 39.21,8.88 38.02,8.88 37.65,9.25 v1(37.65,9.37)
  Bottom w0.12: R194.1 39.62,9.23
/IO Banks/Bank C/Z1: length 7.7
  Top w0.09: J9.5 32.85,9.7 33.3,9.25 34.18,9.25 34.48,8.95 35.88,8.95 v1(36.19,9.26)
  Bottom w0.09: R187.2 v1(36.19,9.26)
  Bottom w0.12: R195.1 36.22,9.23
/IO Banks/Bank C/Z2: length 7.7
  Bottom w0.09: R188.2 D97.1 ; v1(30.35,12.35) 29.96,11.95 29.96,9.43 30.61,8.78 30.83,8.78 30.95,8.9 32.82,8.9
  Bottom w0.12: 32.82,9.23 R196.1
/IO Banks/Bank C/Z3: length 3.4
  Top w0.09: v1(29.39,9.26) 28.96,9.69 28.24,9.69 27.77,10.16
  Bottom w0.09: R189.2 v1(29.39,9.26)
  Bottom w0.12: R197.1 29.42,9.23
/IO Banks/Bank C/Z4: length 2.5
  Top w0.09: 25.23,10.02 v1(25.99,9.26)
  Bottom w0.09: v1(25.99,9.26) R190.2
  Bottom w0.12: R198.1 26.02,9.23
/IO Banks/Bank C/Z5: length 4.4
  Top w0.09: v1(22.59,9.26) 22.69,9.36 J9.13
  Bottom w0.09: R191.2 v1(22.59,9.26)
  Bottom w0.12: R199.1 22.62,9.23
/IO Banks/Bank C/Z6: length 5.1
  Top w0.09: v1(19.19,9.26) 19.74,9.26 20.15,9.67 J9.15
  Bottom w0.09: R192.2 v1(19.19,9.26)
  Bottom w0.12: R200.1 19.22,9.23
/IO Banks/Bank C/Z7: length 3.6
  Top w0.09: v1(15.79,9.26) 16.71,9.26 17.61,10.16
  Bottom w0.09: R193.2 v1(15.79,9.26)
  Bottom w0.12: R201.1 15.82,9.23
/IO Banks/Bank D/PG: length 25.7
  Top w0.09: R210.2 8.16,45.13 D100.2
  Top w0.15: v1(24,52.9) 23.8,53.1 21.8,53.1 21.4,52.7 21.4,48 20.7,47.3 10.61,47.3 R210.2
  Bottom w0.15: U64.2 24.34,51.25 24.56,51.47 24.56,52.47 24.13,52.9 v1(24,52.9)
/IO Banks/Bank D/V_{CLAMP}: length 31.4
  In2.Cu w0.2: v1(14.88,46.59) 15.07,46.4 18.09,46.4 v1(18.28,46.59) 18.47,46.4 21.49,46.4 v1(21.68,46.59) 21.87,46.4 24.89,46.4 v1(25.08,46.59) 25.27,46.4 28.29,46.4 v1(28.48,46.59) 28.71,46.59 28.99,46.31 31.78,46.31 v1(31.88,46.41) 35.1,46.41 v1(35.28,46.59) 35.47,46.4 38.49,46.4 v1(38.68,46.59)
  Bottom w0.15: C223.1 35.13,51.57 35.5,51.2 U73.4 ; 35.17,50.66 34.81,50.3 34.81,49.08 35.22,48.67 35.22,46.64 ; D102.1 35,51.7
/IO Banks/Bank D/V_{IO_OUT}: length 3.3
  Top w0.3: 14.8,49.3 v1(14.05,49.3)
  In2.Cu w0.3: v1(13.2,51.51) 14.62,51.51 v1(14.91,51.8)
  Bottom w0.2: v1(14.91,51.8) 14.91,51.81 R218.2
/IO Banks/Bank D/V_{IO}: length 63.7
  In2.Cu w0.2: v1(16.02,45.84) 16.19,46 18.9,46 v1(18.95,45.95) 19,46 22.08,46 v1(22.32,45.76) 22.56,46 25.48,46 v1(25.72,45.76) 26.02,46.06 28.82,46.06 v1(29.13,45.75) 29.38,46 32.31,46 v1(32.53,45.78) 32.8,46.05 35.66,46.05 v1(35.92,45.79) 36.13,46 v1(39.17,46)
  In2.Cu w0.3: v1(12.32,51.52) 12.39,51.52 v1(12.8,51.11) 13.13,50.78 13.62,50.78 v1(14.1,50.3)
  In3.Cu w0.2: v1(32.53,45.78) 33.82,47.07 33.82,49.36 v1(33.82,49.36)
  In3.Cu w0.3: v1(16.02,45.84) 16.02,46.44 16.15,46.57 v1(16.15,48.6)
  Bottom w0.12: U69.B1 12.33,51.51 v1(12.32,51.52)
  Bottom w0.2: U63.6 29,44.05 C203.1 29.42,45.46 v1(29.13,45.75) ; U65.6 18.8,44.05 C207.1 19.22,45.68 v1(18.95,45.95) ; v1(25.72,45.76) 26.02,45.46 C220.1 25.6,44.05 U71.6 ; v1(32.53,45.78) 32.82,45.49 C208.1 32.4,44.05 U66.6 ; v1(35.92,45.79) 36.22,45.49 36.22,44.47 C214.1 35.8,44.05 U68.6 ; v1(39.17,46) 39.38,46 39.62,45.76 C221.1 39.21,44.06 39.21,43.38 U72.6 ; v1(16.02,45.84) 16,45.84 15.82,45.66 C202.1 15.38,44.03 15.38,43.39 U62.6 ; v1(22.32,45.76) 22.62,45.46 C213.1 22.21,44.06 22.21,43.38 U67.6
  Bottom w0.3: 14.98,50.41 14.98,50.18 15.46,49.7 R216.4 ; 14.98,50.41 14.87,50.3 ; 14.98,50.41 15.47,50.9 R216.4 ; R218.1 14.42,51.26 14.42,50.62 v1(14.1,50.3) 14.87,50.3 ; 14.87,50.3 14.87,48.68 14.95,48.6 v1(16.15,48.6)
